# Altium PCB PCB.PcbDoc
Units mm, origin at the board's own origin, x right, y up, seen from the top; angles counter-clockwise.
Board outline 25 x 60 mm, 2 copper layers (Top Layer, Bottom Layer), stack 1.05 mm thick; 87 components, 68 nets, 303 pads, 188 vias.
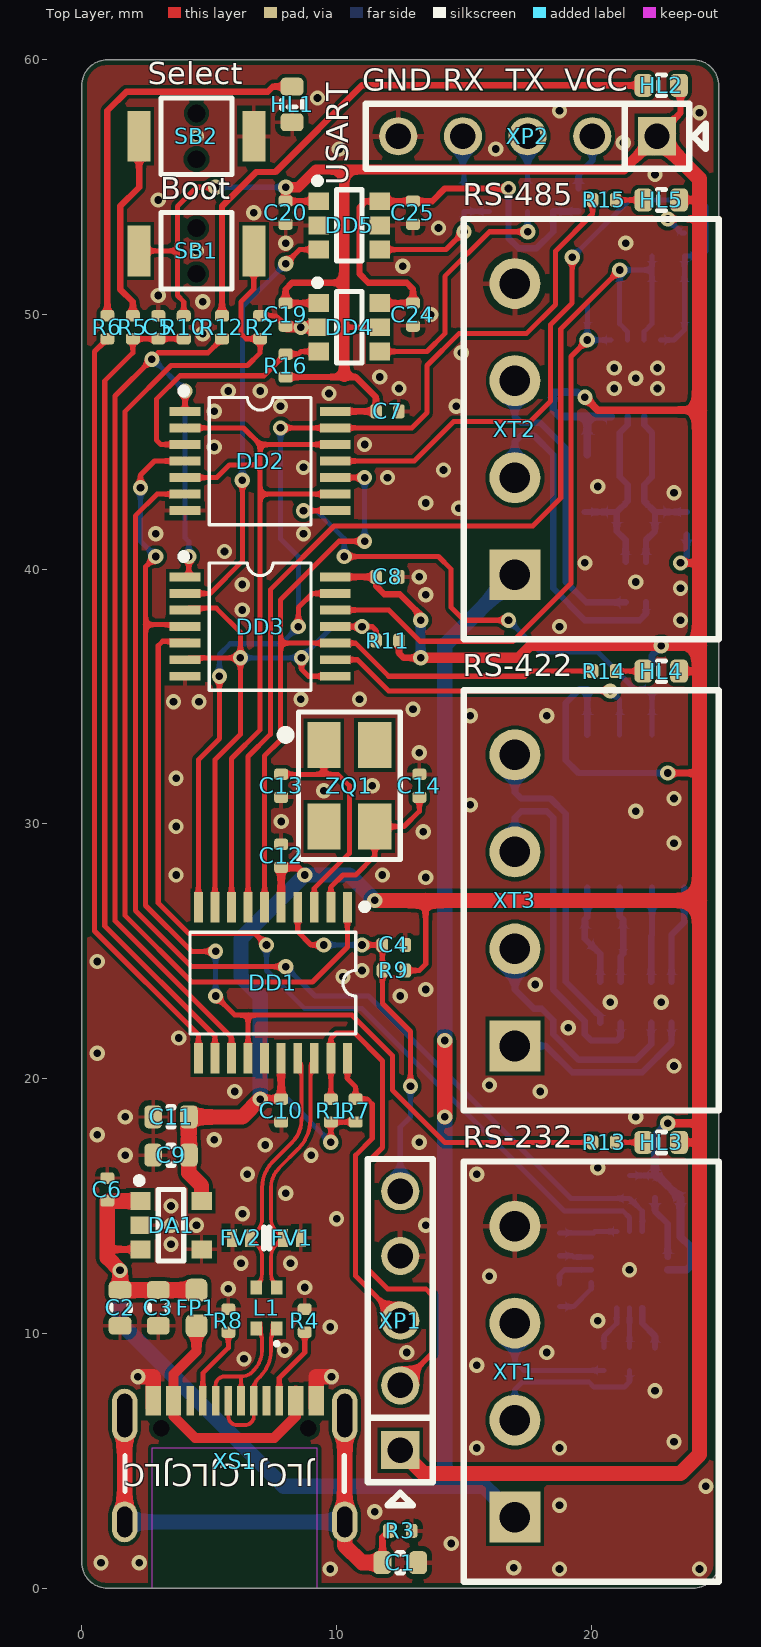
[diagram p0: Top Layer view]
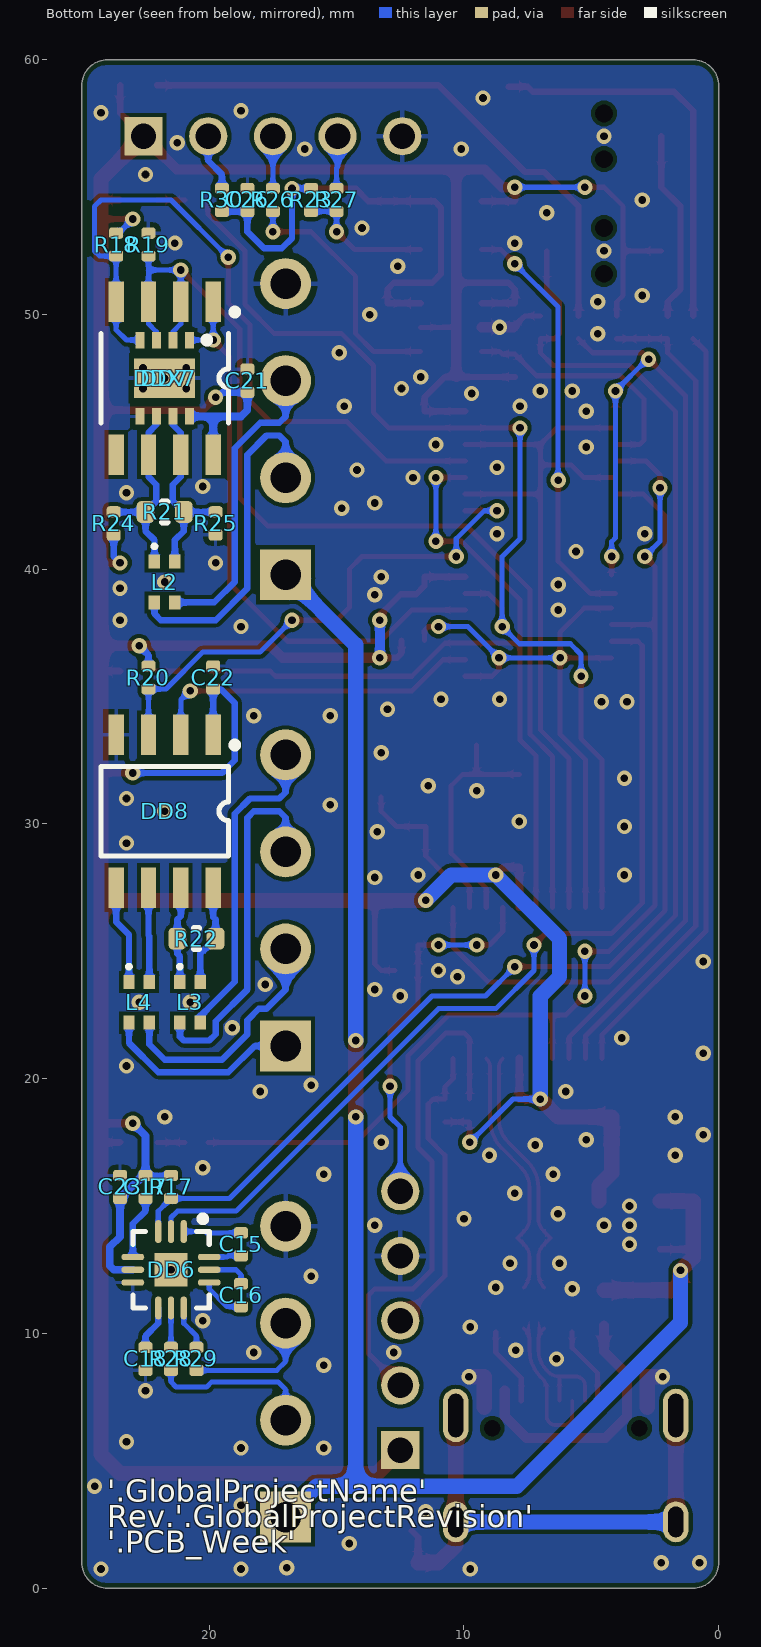
[diagram p1: Bottom Layer view, seen from below]
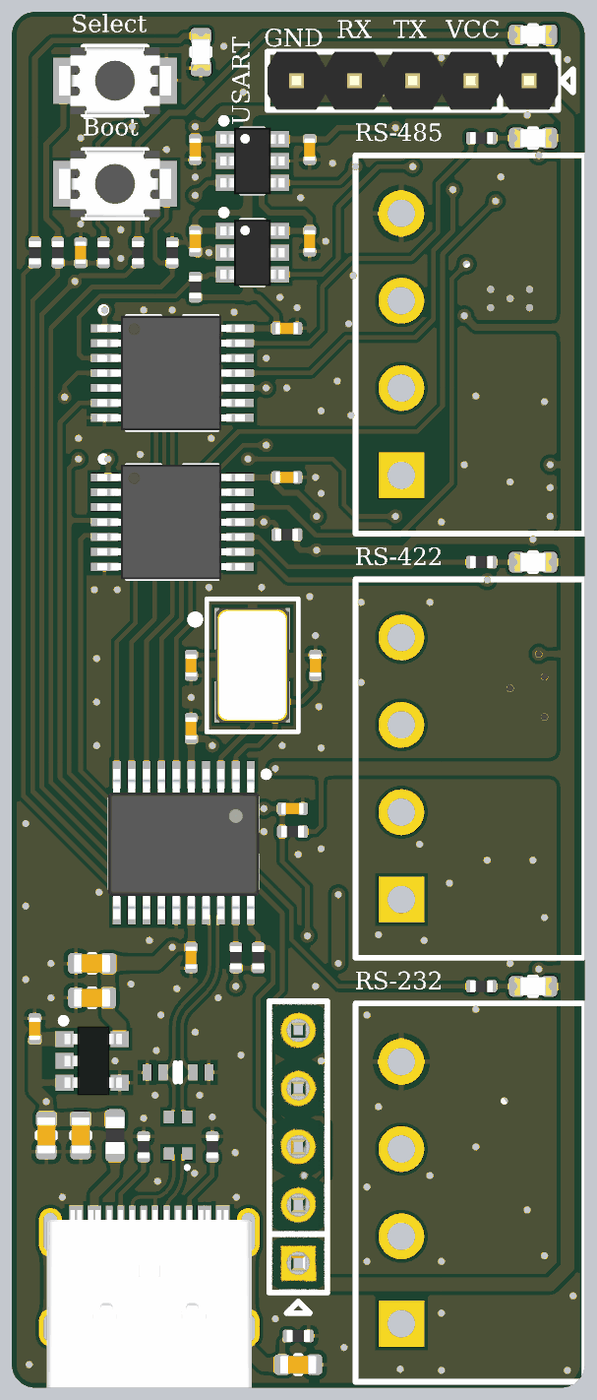
[diagram p2: 3D render of the assembled board from above, using the file's embedded part models]
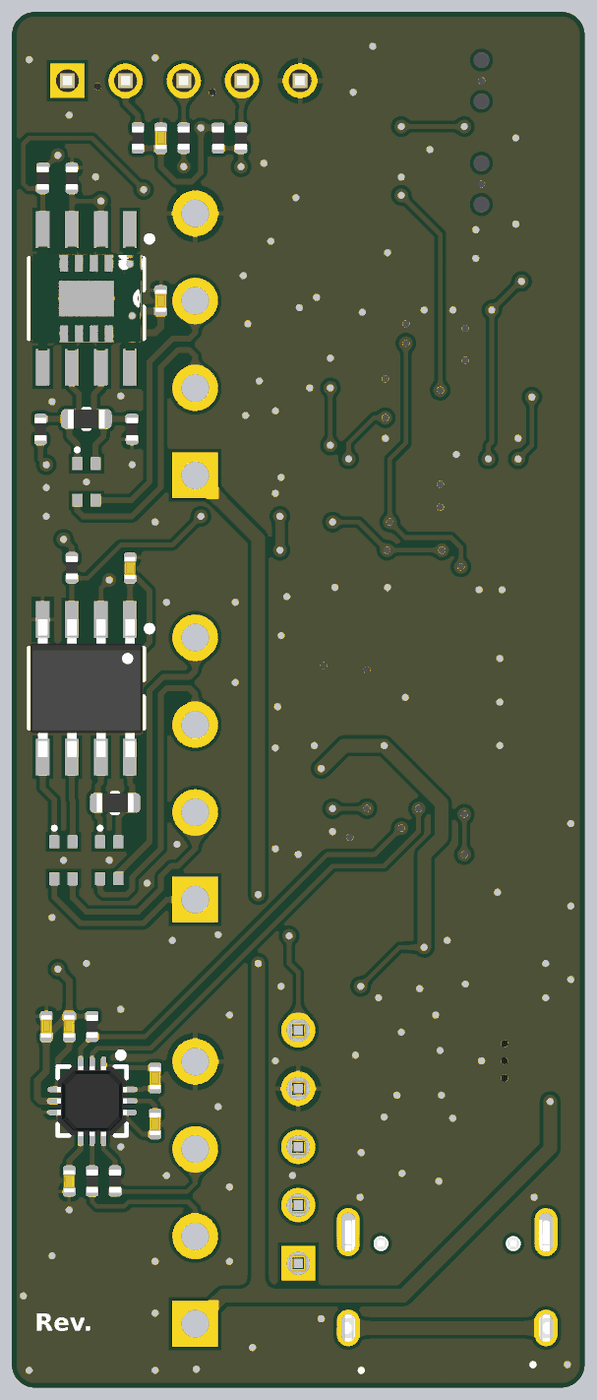
[diagram p3: 3D render of the assembled board from below, using the file's embedded part models]

## Layer stack, top to bottom
Top Solder: solder mask 0.01, Solder Resist, Dk 3.5
Top Layer: signal copper 0.03
Dielectric1: core 0.99, KB-6160-0,99, Dk 4.6
Bottom Layer: signal copper 0.03
Bottom Solder: solder mask 0.01, Solder Resist, Dk 3.5

## Board outline
0,1 ccw(c1,1) 1,0 24,0 ccw(c24,1) 25,1 25,59 ccw(c24,59) 24,60 1,60 ccw(c1,59) 0,59

## Design rules (kind name [scope] priority, off if disabled: settings)
AssemblyTestPointUsage [All] p1 off:
AssemblyTestpoint [All] p1 off: testpointundercomponent=TRUE minsize=1.016 maxsize=2.54 preferedsize=1.524 minholesize=0 maxholesize=1.016 preferedholesize=0.813 testpointgrid=0.025 usegrid=TRUE gridtolerance=0 allowsidetop=TRUE allowsidebottom=TRUE
BoardOutlineClearance [All] p1: gap=0.2 ignorepadtopadclearanceinfootprint=FALSE
Clearance Clearance_ANT [InNet('BLE_ANT')] p1: gap=0.2 ignorepadtopadclearanceinfootprint=FALSE
Clearance Clearance_KT [InComponent('KT*') vs InNet('GND')] p2: gap=0.3 ignorepadtopadclearanceinfootprint=FALSE
Clearance [All] p3: gap=0.15 ignorepadtopadclearanceinfootprint=FALSE
ComponentClearance [All] p1 off: gap=0.25 collisioncheckmode=3 verticalgap=0.25 showdistances=FALSE
DiffPairsRouting [All] p1: maxlimit=0.4 minlimit=0.15 mostfreqgap=0.2 toplayer_minwidth=0.15 toplayer_maxwidth=0.15 toplayer_prefwidth=0.15 bottomlayer_minwidth=0.15 bottomlayer_maxwidth=0.15 bottomlayer_prefwidth=0.15 maxuncoupledlength=12
FabricationTestPointUsage [All] p1 off: valid=0 allowmultiple=FALSE
FabricationTestpoint [All] p1 off: side=3 testpointundercomponent=TRUE minsize=1.016 maxsize=2.54 preferedsize=1.524 minholesize=0 maxholesize=1.016 preferedholesize=0.813 testpointgrid=0.025 allowsidetop=TRUE allowsidebottom=TRUE usegrid=TRUE gridtolerance=0
Height [All] p1: minheight=0 maxheight=25 prefheight=25
HoleSize [All] p1: absolutevalues=TRUE maxlimit=6 minlimit=0.3 maxpercent=80.000 minpercent=20.000
HoleToHoleClearance [All] p1: gap=0.25 allowstackedmicrovias=TRUE
MinimumSolderMaskSliver [All] p1 off: minsoldermaskwidth=0.254
PlaneClearance [All] p1: clearance=0.5
PlaneConnect [All] p1: planeconnectstyle=Relief reliefexpansion=0.5 reliefentries=4 reliefconductorwidth=0.25 reliefairgap=0.25
PolygonConnect PolygonConnect_DirectConnect [InComponentClass('DirectConnect')] p1: connectstyle=Direct reliefconductorwidth=0.254 reliefentries=4 polygonreliefangle="90 Angle" airgapwidth=0.254
PolygonConnect [All] p2: thpad.connectstyle=Relief thpad.reliefconductorwidth=0.2 thpad.reliefentries=4 thpad.polygonreliefangle="90 Angle" thpad.airgapwidth=0.25 smdpad.connectstyle=Relief smdpad.reliefconductorwidth=0.15 smdpad.reliefentries=4 smdpad.polygonreliefangle="90 Angle" smdpad.airgapwidth=0.2 via.connectstyle=Direct via.reliefconductorwidth=0.254 via.reliefentries=4 via.polygonreliefangle="90 Angle" via.airgapwidth=0.254
RoutingCorners [All] p1: cornerstyle=45-Degree minsetback=1.5 maxsetback=3.5
RoutingVias [All] p1: holewidth=0.6 width=1.2 viastyle="Through Hole" minholewidth=0.3 minwidth=0.6 maxholewidth=1 maxwidth=2
SMDEntry [All] p1: side=TRUE corner=TRUE anyangle=TRUE
SilkToSilkClearance [All] p1 off: silktosilkclearance=0.254
SilkToSolderMaskClearance [IsPad] p1 off: minsilkscreentomaskgap=0.254 clearancetoexposedcopper=TRUE
SolderMaskExpansion [All] p1: expansion=0.025 istentingtop=FALSE
Width Width_ANT [InNet('BLE_ANT')] p1 off: maxlimit=1.5 minlimit=1.5 preferedwidth=1.5 impedanceprofiledriven=TRUE impedanceprofileid={847FDF52-CFF7-4730-B5F5-BFD687EAA150} impedanceprofilevalue=50.000000 minimp=50.000000 maximp=50.000000 favimp=50.000000
Width [All] p2: maxlimit=8 minlimit=0.15 preferedwidth=0.6
Width Width_TrackEnds [All] p3 off: maxlimit=0.25 minlimit=0.25 preferedwidth=0.25 checkconnectedcopper=TRUE
15 further rules are at their usual default settings.

## Classes and differential pairs
differential pair USBD: +USBD_P -USBD_N
differential pair USB: +USB_P -USB_N

## Components (designator, comment, footprint, x,y, rotation, side; value= is the part's Value field where it differs from the comment)
C1 "Capacitor" C0603_160X080H080_H 12.5,1 r180 top value=0.1uF
C2 "Capacitor" C0603_160X080H080_H 1.5,11 r270 top value=22uF
C3 "Capacitor" C0603_160X080H080_H 3,11 r270 top value=22uF
C4 "Capacitor" C0402_100X050H050_H 12.25,25.25 r0 top value=0.1uF
C5 "Capacitor" C0402_100X050H050_H 3,49.5 r90 top value=0.1uF
C6 "Capacitor" C0402_100X050H050_H 1,15.65 r270 top value=4.7uF
C7 "Capacitor" C0402_100X050H050_H 12,46.2 r0 top value=1uF
C8 "Capacitor" C0402_100X050H050_H 12,39.7 r0 top value=1uF
C9 "Capacitor" C0603_160X080H080_H 3.5,17 r0 top value=22uF
C10 "Capacitor" C0402_100X050H050_H 7.825,18.75 r270 top value=1uF
C11 "Capacitor" C0603_160X080H080_H 3.5,18.5 r0 top value=22uF
C12 "Capacitor" C0402_100X050H050_H 7.825,28.75 r90 top value=1uF
C13 "Capacitor" C0402_100X050H050_H 7.825,31.5 r90 top value=12pF
C14 "Capacitor" C0402_100X050H050_H 13.25,31.5 r270 top value=12pF
C15 "Capacitor" C0402_100X050H050_H 18.75,13.5 r270 bottom value=0.1uF
C16 "Capacitor" C0402_100X050H050_H 18.75,11.5 r270 bottom value=0.1uF
C17 "Capacitor" C0402_100X050H050_H 22.5,15.75 r270 bottom value=0.1uF
C18 "Capacitor" C0402_100X050H050_H 22.5,9 r270 bottom value=0.1uF
C19 "Capacitor" C0402_100X050H050_H 8,50 r270 top value=0.1uF
C20 "Capacitor" C0402_100X050H050_H 8,54 r270 top value=0.1uF
C21 "Capacitor" C0402_100X050H050_H 18.5,47.405 r90 bottom value=1uF
C22 "Capacitor" C0402_100X050H050_H 19.845,35.75 r90 bottom value=1uF
C23 "Capacitor" C0402_100X050H050_H 23.5,15.75 r90 bottom value=1uF
C24 "Capacitor" C0402_100X050H050_H 13,50 r270 top value=0.1uF
C25 "Capacitor" C0402_100X050H050_H 13,54 r270 top value=0.1uF
C26 "Capacitor" C0402_100X050H050_H 18.5,54.5 r90 bottom value=1uF
DA1 "TLV702xxPDBV-Series" SOT-23-5_095P290X160X145_N 3.5,14.25 r270 top value=TLV70233DBVR
DD1 "STM32F070FxPx-Series" TSSOP-20_065P650X440X120_N 7.5,23.75 r180 top locked value=STM32F070F6P6
DD2 "SN74LVC125APW" TSSOP-14_065P500X440X120_N 7,44.25 r270 top locked value=SN74LVC125APWR
DD3 "SN74LVC125APW" TSSOP-14_065P500X440X120_N 7,37.75 r270 top locked value=SN74LVC125APWR
DD4 "SN74AVC1T45Dx-Series" SOT-23-6_095P290X160X145_N 10.5,49.5 r270 top value=SN74AVC1T45DBVR
DD5 "SN74AVC1T45Dx-Series" SOT-23-6_095P290X160X145_N 10.5,53.5 r270 top value=SN74AVC1T45DBVR
DD6 "ADM3101EAC" LFCSP-12_050P300X300X080_N 21.5,12.5 r270 bottom value=ADM3101EACPZ
DD7 "TP75176E-FR" DFN-8_065P300X300X090_N 21.75,47.5 r0 bottom
DD8 "ADM3077" SOIC-8_127P490X391X155_N 21.75,30.5 r0 bottom value=ADM3077EARZ
DDX7 "" SOIC-8_127P490X391X155_N 21.75,47.5 r0 bottom value=ADM3077EARZ (schematic designator DD8)
FP1 "Fuse_PTC" F0603_160X080H075_H 4.5,11 r90 top value=0603L100SLYR
FV1 "Suppressor_21" X1-DFN1006-2_070P060X100X050_N 8.25,13.75 r90 top value=PESDUC2FD5VU
FV2 "Suppressor_21" X1-DFN1006-2_070P060X100X050_N 6.25,13.75 r270 top value=PESDUC2FD5VU
HL1 "Status" LD0603_L 8.25,58.25 r270 top value=NCD0603G1
HL2 "USART" LD0603_L 22.75,59 r180 top value=NCD0603W1
HL3 "232" LD0603_L 22.75,17.5 r180 top value=NCD0603W1
HL4 "422" LD0603_L 22.75,36 r180 top value=NCD0603W1
HL5 "485" LD0603_L 22.75,54.5 r180 top value=NCD0603W1
L1 "Coil-2xCommon_H" DLW21HN-Series 7.25,11 r90 top value=DLW21HN121SQ2L
L2 "Coil-2xCommon_H" DLW21HN-Series 21.75,39.5 r270 bottom value=DLW21HN121SQ2L
L3 "Coil-2xCommon_H" DLW21HN-Series 20.75,23 r270 bottom value=DLW21HN121SQ2L
L4 "Coil-2xCommon_H" DLW21HN-Series 22.75,23 r270 bottom value=DLW21HN121SQ2L
R1 "Resistor" R0402_100X050H035_H 9.775,18.75 r270 top value=10k
R2 "Resistor" R0402_100X050H035_H 7,49.5 r270 top value=10k
R3 "Resistor" R0402_100X050H035_H 12.5,2.25 r180 top value=100k
R4 "Resistor" R0402_100X050H035_H 8.75,10.5 r270 top value=5.1k
R5 "Resistor" R0402_100X050H035_H 2,49.5 r90 top value=20
R6 "Resistor" R0402_100X050H035_H 1,49.5 r90 top value=330
R7 "Resistor" R0402_100X050H035_H 10.75,18.75 r270 top value=10k
R8 "Resistor" R0402_100X050H035_H 5.75,10.5 r270 top value=5.1k
R9 "Resistor" R0402_100X050H035_H 12.25,24.25 r0 top value=10k
R10 "Resistor" R0402_100X050H035_H 4,49.5 r90 top value=10k
R11 "Resistor" R0402_100X050H035_H 12,37.2 r0 top value=10k
R12 "Resistor" R0402_100X050H035_H 5.5,49.5 r270 top value=330
R13 "Resistor" R0402_100X050H035_H 20.5,17.5 r180 top value=330
R14 "Resistor" R0402_100X050H035_H 20.5,36 r180 top value=330
R15 "Resistor" R0402_100X050H035_H 20.5,54.5 r180 top value=330
R16 "Resistor" R0402_100X050H035_H 8,48 r270 top value=10k
R17 "Resistor" R0402_100X050H035_H 21.5,15.75 r90 bottom value=10k
R18 "Resistor" R0402_100X050H035_H 23.655,52.75 r90 bottom value=10k
R19 "Resistor" R0402_100X050H035_H 22.385,52.75 r270 bottom value=10k
R20 "Resistor" R0402_100X050H035_H 22.385,35.75 r90 bottom value=10k
R21 "Resistor" R0603_160X080H045_H 21.75,42.25 r0 bottom value=120
R22 "Resistor" R0603_160X080H045_H 20.5,25.5 r180 bottom value=120
R23 "Resistor" R0402_100X050H035_H 16,54.5 r90 bottom value=10k
R24 "Resistor" R0402_100X050H035_H 23.75,41.8 r90 bottom value=1.5k
R25 "Resistor" R0402_100X050H035_H 19.75,41.8 r270 bottom value=1.5k
R26 "Resistor" R0402_100X050H035_H 17.5,54.5 r270 bottom value=22
R27 "Resistor" R0402_100X050H035_H 15,54.5 r270 bottom value=22
R28 "Resistor" R0402_100X050H035_H 21.5,9 r90 bottom value=0
R29 "Resistor" R0402_100X050H035_H 20.5,9 r90 bottom value=0
R30 "Resistor" R0402_100X050H035_H 19.5,54.5 r270 bottom value=1.5
SB1 "Boot" IT-1185AP 4.5,52.5 r90 top locked value=IT-1185AP
SB2 "Select" IT-1185AP 4.5,57 r270 top locked value=IT-1185AP
XP1 "SWD" PLS-5 12.5,10.5 r90 top value=PLS-5
XP2 "USART" PLS-5 17.5,57 r180 top locked value=PLS-5
XS1 "Text" U262-161N-4BVC11 6,0 r0 top value=U262-161N-4BVC11
XT1 "RS-232" ECH381R-04P 25,8.5 r90 top locked value=ECH381R-04P
XT2 "RS-485" ECH381R-04P 25,45.5 r90 top locked value=ECH381R-04P
XT3 "RS-422" ECH381R-04P 25,27 r90 top locked value=ECH381R-04P
ZQ1 "Crystal" "SMD 5x3.2mm" 10.5,31.5 r270 top value="KX-9A 8.0 MHz 30/50/100 16 pF"

## Footprints (in the part's own frame and the unit in brackets; to place one, negate y for a bottom-side part, rotate by r counter-clockwise, add the part's x,y. Pads: shape width x height; smd on the part's side, far side on the other; paste and mask are expansions set on the pad)
C0402_100X050H050_H [mm] "Chip Capacitor, 2-Leads, Body 1,00x0,50mm, IPC High Density"
  rrect50% 0.45x0.55 smd: 1(-0.45,0) 2(0.45,0)
  body extent -0.5,-0.25 0.5,0.25, height 0.5
C0603_160X080H080_H [mm] "Chip Capacitor, 2-Leads, Body 1,60x0,80mm, IPC High Density"
  rrect50% 0.7x0.9 smd: 1(-0.7,0) 2(0.7,0)
  silkscreen extent -0.1,-0.38 0.1,0.38, body extent -0.8,-0.4 0.8,0.4, height 0.8
DFN-8_065P300X300X090_N [mm]
  rect 0.35x0.65 smd: 1(-0.975,-1.5) 2(-0.325,-1.5) 3(0.325,-1.5) 4(0.975,-1.5) 5(0.975,1.5) 6(0.325,1.5) 7(-0.325,1.5) 8(-0.975,1.5)
  rect 2.4x1.55 smd: TP(0,0)
  silkscreen extent -1.78,-1.62 -1.53,-1.38, body extent -1.5,-1.5 1.5,1.5, height 0.9
DLW21HN-Series [mm]
  rect 0.55x0.45 smd: 1(-0.8,-0.4) 2(0.8,-0.4) 3(0.8,0.4) 4(-0.8,0.4)
  silkscreen extent -1.45,-0.45 -1.35,-0.35, body extent -1,-0.6 1,0.6, height 0.9
ECH381R-04P [mm]
  rect 2x2 hole 1.2: 1(-5.715,8)
  round 2 hole 1.2: 2(-1.905,8) 3(1.905,8) 4(5.715,8)
  silkscreen extent -8.25,0 8.25,10
F0603_160X080H075_H [mm] "Chip Resistor, 2-Leads, Body 1,60x0,80mm, IPC High Density"
  rrect50% 0.9x0.85 smd: 1(-0.7,0) 2(0.7,0)
  body extent -0.8,-0.4 0.8,0.4, height 0.75
IT-1185AP [mm]
  rect 2x0.9 smd: 1(0,2.25) 2(0,-2.25)
  round 0.1 hole 0.7 unplated: 4(-0.9,0) 4(0.9,0)
  silkscreen extent -1.5,-1.4 1.5,1.4, body extent -1.45,-2.45 1.45,2.45, height 2.04
LD0603_L [mm] "Chip Led; Body 1.6 x 0.8 mm (LxW typ)"
  rrect50% 0.7x0.9 smd mask+0.05: 1(-0.7,0) 2(0.7,0)
  silkscreen extent -0.15,-0.41 0.15,0.41, body extent -0.8,-0.4 0.8,0.4, height 0.7
LFCSP-12_050P300X300X080_N [mm] "LFCSP, 12-Leads, Body 3x3mm, Pitch 0.5mm, Thermal Pad 1.3x1.3mm, IPC Medium Density"
  oval 0.9x0.25 smd: 1(-1.5,0.5) 2(-1.5,0) 3(-1.5,-0.5) 7(1.5,-0.5) 8(1.5,0) 9(1.5,0.5)
  oval 0.25x0.9 smd: 4(-0.5,-1.5) 5(0,-1.5) 6(0.5,-1.5) 10(0.5,1.5) 11(0,1.5) 12(-0.5,1.5)
  rect 1.3x1.3 smd: TP(0,0)
  silkscreen extent -2.12,-1.5 1.5,1.5, body extent -1.53,-1.53 1.52,1.52, height 0.85
PLS-5 [mm]
  rect 1.5x1.5 hole 1: 1(-5.08,0)
  round 1.5 hole 1: 2(-2.54,0) 3(0,0) 4(2.54,0) 5(5.08,0)
  silkscreen extent -6.35,-1.27 6.35,1.27, body extent -6.35,-1.27 6.35,1.27, height 8.9
R0402_100X050H035_H [mm] "Chip Resistor, 2-Leads, Body 1,00x0,50mm, IPC High Density"
  rrect50% 0.45x0.55 smd: 1(-0.45,0) 2(0.45,0)
  body extent -0.5,-0.25 0.5,0.25, height 0.35
R0603_160X080H045_H [mm] "Chip Resistor, 2-Leads, Body 1,60x0,80mm, IPC High Density"
  rrect50% 0.7x0.85 smd: 1(-0.75,0) 2(0.75,0)
  silkscreen extent -0.1,-0.4 0.1,0.4, body extent -0.8,-0.4 0.8,0.4, height 0.45
"SMD 5x3.2mm" [mm]
  rect 1.8x1.3 smd: 1(-1.6,-1) 2(1.6,-1) 3(1.6,1) 4(-1.6,1)
  silkscreen extent -2.9,-2.6 2.9,2, body extent -2.5,-1.6 2.5,1.6, height 1.01
SOIC-8_127P490X391X155_N [mm] "4320.8-А Small Outline; 8 Leads; Body Width 3.9 mm; Pitch 1.27 mm"
  rect 0.6x1.6 smd: 1(-1.905,-3) 2(-0.635,-3) 3(0.635,-3) 4(1.905,-3) 5(1.905,3) 6(0.635,3) 7(-0.635,3) 8(-1.905,3)
  silkscreen extent -2.88,-2.72 2.5,1.75, body extent -2.45,-3 2.45,3, height 1.55
SOT-23-5_095P290X160X145_N [mm]
  rect 0.7x0.8 smd: 1(-0.95,-1.2) 2(0,-1.2) 3(0.95,-1.2) 4(0.95,1.2) 5(-0.95,1.2)
  silkscreen extent -1.87,-1.37 1.4,0.5, body extent -1.5,-1.2 1.5,1.3, height 1.09
SOT-23-6_095P290X160X145_N [mm]
  rect 0.7x0.8 smd: 1(-0.95,-1.2) 2(0,-1.2) 3(0.95,-1.2) 4(0.95,1.2) 5(0,1.2) 6(-0.95,1.2)
  silkscreen extent -1.87,-1.37 1.4,0.5, body extent -1.45,-1.4 1.45,1.4, height 1.45
TSSOP-14_065P500X440X120_N [mm]
  rect 0.35x1.2 smd: 1(-1.95,-2.95) 2(-1.3,-2.95) 3(-0.65,-2.95) 4(0,-2.95) 5(0.65,-2.95) 6(1.3,-2.95) 7(1.95,-2.95) 8(1.95,2.95) 9(1.3,2.95) 10(0.65,2.95) 11(0,2.95) 12(-0.65,2.95) 13(-1.3,2.95) 14(-1.95,2.95)
  silkscreen extent -2.87,-3.12 2.5,2, body extent -2.5,-3.28 2.5,3.18, height 1.2
TSSOP-20_065P650X440X120_N [mm]
  rect 0.35x1.2 smd: 1(-2.925,-2.975) 2(-2.275,-2.975) 3(-1.625,-2.975) 4(-0.975,-2.975) 5(-0.325,-2.975) 6(0.325,-2.975) 7(0.975,-2.975) 8(1.625,-2.975) 9(2.275,-2.975) 10(2.925,-2.975) 11(2.925,2.95) 12(2.275,2.95) 13(1.625,2.95) 14(0.975,2.95) 15(0.325,2.95) 16(-0.325,2.95) 17(-0.975,2.95) 18(-1.625,2.95) 19(-2.275,2.95) 20(-2.925,2.95)
  silkscreen extent -3.73,-3.12 3.25,2, body extent -3.3,-3.22 3.3,3.33, height 1.2
U262-161N-4BVC11 [mm]
  round 0 hole 0.65 unplated: 0(-2.89,6.28) 0(2.89,6.28)
  rect 0.3x1.15 smd: A1(-3.35,7.355) A4(-2.55,7.355) A5(-1.25,7.355) A6(-0.25,7.355) A7(0.25,7.355) A8(-1.75,7.355) A9(2.55,7.355) A12(3.35,7.355) B1(3.05,7.355) B4(2.25,7.355) B5(1.75,7.355) B6(0.75,7.355) B7(-0.75,7.355) B8(1.25,7.355) B9(-2.25,7.355) B12(-3.05,7.355)
  oval 1x1.6 hole 0.6 slot 1.2 at 90 deg: SH(-4.32,2.6) SH(4.32,2.6)
  oval 1x2.1 hole 0.6 slot 1.7 at 90 deg: SH(-4.32,6.78) SH(4.32,6.78)
  Top Layer keep-out region: -3.25,0 3.25,0 3.25,5.5 -3.25,5.5
  silkscreen extent -4.3,3.8 4.3,5.2, body extent -4.48,0 4.48,7.75, height 3.26
X1-DFN1006-2_070P060X100X050_N [mm]
  rect 0.7x0.4 smd: 1(0,0.35) 2(0,-0.35)